# Altium PCB EDA-04211-V4_0_pcb.pcbdoc (part 3 of 12)
Units mm, origin at the board's own origin, x right, y up, seen from the top; angles counter-clockwise.
Board outline 304.8 x 128.5 mm, 14 copper layers (Top Layer, L2, L3GND, L4, L5GND, L6, L7GND, L8, L9GND, L10, L11GND, L12, L13GND, Bottom Layer), stack 4.06 mm thick; 143 components, 1224 nets, 5334 pads, 591 vias.
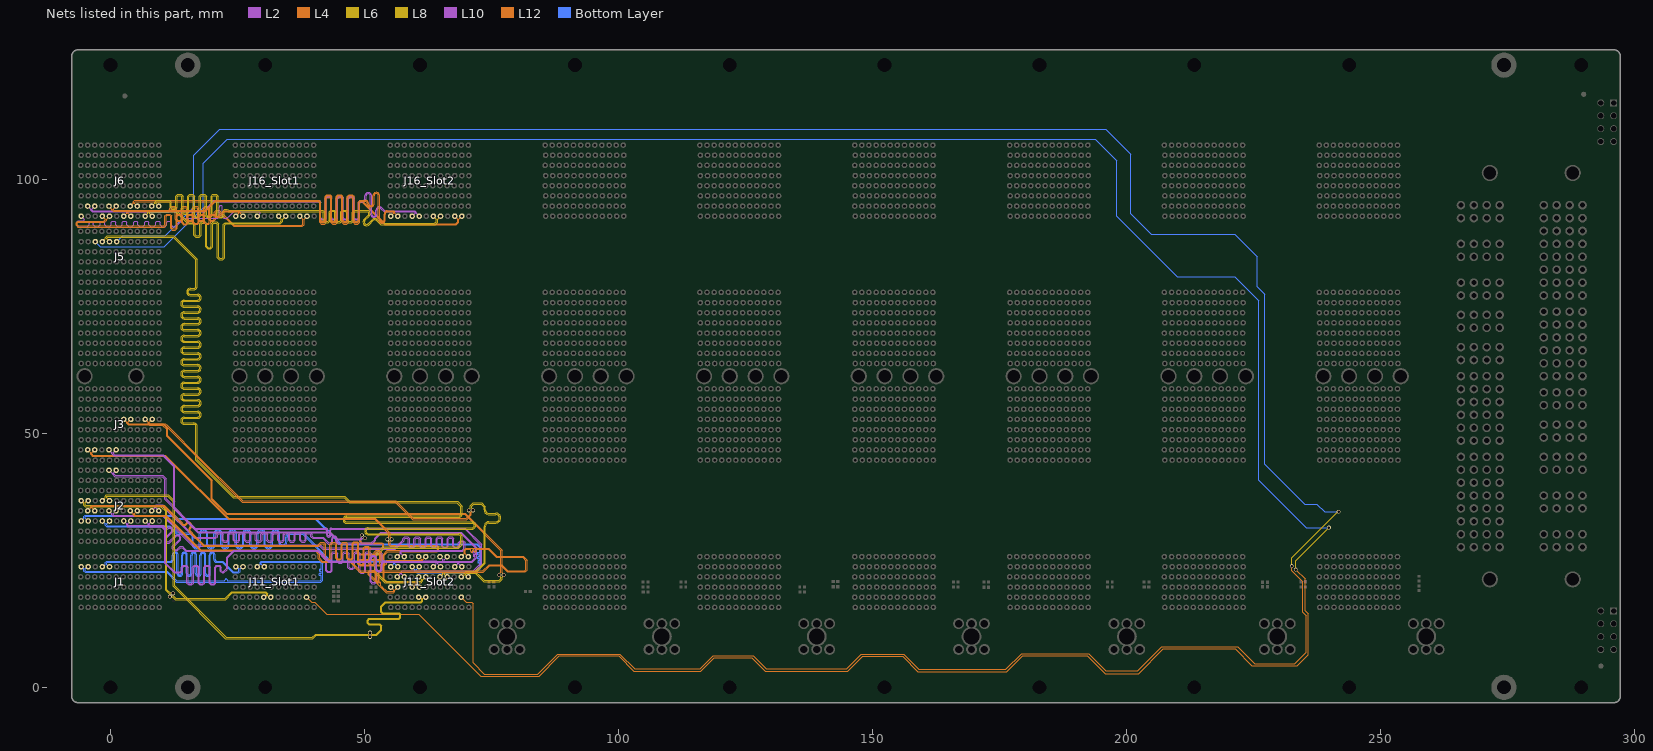
[diagram p15: the nets of this part, all layers, seen from the top]

## Via types
v1: diameter 0.75, hole 0.5, Top Layer to Bottom Layer, tented both sides, 549 vias
v2: diameter 0.85, hole 0.5, Top Layer to Bottom Layer, tented both sides, 32 vias
v3: diameter 1.3, hole 1, Top Layer to Bottom Layer, tented both sides, 10 vias

## Nets (pads, with @x,y where several pads share a name; then routed paths per layer and width w, separated by ;. In a path a pad name is that pad's centre, name@x,y a point inside that pad or via, vN(x,y) a via of type N, cw(c..) or ccw(c..) an arc to the next point about the centre after c; other vN are vias at no path point) (continued)
1_DIFF_11_P: J6.A1 J16_Slot1.D1 | length 57.3
  L10 w0.102: J6.A1@-5.78,92.75 -5.195,92.164 -5.195,91.952 -5.296,91.85 -6.309,91.85 -6.589,91.57 -6.589,91.012 -6.298,90.721 -4.762,90.721 -4.549,90.721 -4.199,91.071 -4.199,91.373 -3.983,91.589 -3.551,91.589 -3.335,91.373 -3.335,91.049 -2.985,90.699 -2.363,90.699 -2.013,91.049 -2.013,91.551 -1.797,91.767 -1.365,91.767 -1.149,91.551 -1.149,91.049 -0.799,90.699 -0.177,90.699 0.173,91.049 0.173,91.551 0.389,91.767 0.821,91.767 1.037,91.551 1.037,91.049 1.387,90.699 2.008,90.699 2.359,91.049 2.359,91.551 2.575,91.767 3.007,91.767 3.223,91.551 3.223,91.049 3.573,90.699 4.194,90.699 4.545,91.049 4.545,91.551 4.761,91.767 5.193,91.767 5.409,91.551 5.409,91.049 5.759,90.699 6.38,90.699 6.731,91.049 6.731,91.551 6.947,91.767 7.379,91.767 7.595,91.551 7.595,91.049 7.945,90.699 8.566,90.699 8.917,91.049 8.917,91.551 9.133,91.767 9.565,91.767 9.781,91.551 9.781,91.049 10.131,90.699 10.752,90.699 11.103,91.049 11.103,91.551 11.319,91.767 11.751,91.767 11.967,91.551 11.967,91.071 12.317,90.721 12.935,90.721 13.337,91.123 14.526,92.312 18.261,92.312 20.893,92.312 ccw(c20.893,92.846) 21.427,92.846 21.427,94.547 cw(c21.732,94.547) 21.732,94.852 cw(c21.732,94.547) 22.037,94.547 22.037,92.846 ccw(c22.571,92.846) 22.571,92.312 22.912,92.312 23.365,92.765 24.258,93.658 29.271,93.658 29.486,93.443 29.486,93.336 J16_Slot1.D1@28.9,92.75
1_DIFF_12_N: J6.E1 J16_Slot1.B1 | length 57.3
  L4 w0.102: J6.E1@-0.18,92.75 -0.766,92.164 -0.766,91.972 -1.217,91.521 -6.303,91.521 -6.497,91.326 -6.497,91.032 -6.315,90.85 10.404,90.85 10.523,90.85 10.739,91.066 10.739,92.81 11.089,93.161 11.71,93.161 12.061,92.81 12.061,90.446 12.277,90.23 12.709,90.23 12.925,90.446 12.925,92.81 13.275,93.161 13.896,93.161 14.247,92.81 14.247,91.522 14.463,91.306 14.895,91.306 15.111,91.522 15.111,92.81 15.461,93.161 16.082,93.161 16.432,92.81 16.432,91.566 16.648,91.35 17.08,91.35 17.296,91.566 17.296,92.81 17.647,93.161 18.268,93.161 18.618,92.81 18.618,91.566 18.834,91.35 19.266,91.35 19.482,91.566 19.482,92.81 19.833,93.161 20.454,93.161 20.88,92.735 21.186,92.735 21.461,93.01 21.662,93.212 22.274,93.823 25.239,93.823 25.515,93.547 25.515,93.336 J16_Slot1.B1@26.1,92.75
1_DIFF_12_P: J6.D1 J16_Slot1.A1 | length 57.3
  L4 w0.102: J6.D1@-1.58,92.75 -0.994,92.164 -0.994,92.067 -1.312,91.75 -6.397,91.75 -6.726,91.421 -6.726,90.937 -6.41,90.621 10.404,90.621 10.617,90.621 10.968,90.971 10.968,92.716 11.184,92.932 11.616,92.932 11.832,92.716 11.832,90.352 12.182,90.001 12.803,90.001 13.154,90.352 13.154,92.716 13.37,92.932 13.802,92.932 14.018,92.716 14.018,91.427 14.368,91.077 14.989,91.077 15.339,91.427 15.339,92.716 15.555,92.932 15.988,92.932 16.203,92.716 16.203,91.471 16.554,91.121 17.175,91.121 17.525,91.471 17.525,92.716 17.741,92.932 18.173,92.932 18.389,92.716 18.389,91.471 18.74,91.121 19.361,91.121 19.711,91.471 19.711,92.716 19.927,92.932 20.359,92.932 20.785,92.506 21.28,92.506 21.623,92.848 21.741,92.967 22.369,93.594 25.144,93.594 25.285,93.452 25.285,93.336 J16_Slot1.A1@24.7,92.75
1_DIFF_13_N: J6.H1 J16_Slot1.K1 | length 57.4
  L12 w0.102: J6.H1@4.02,92.75 3.434,93.336 3.434,93.43 3.649,93.645 10.671,93.645 11.593,93.645 11.943,93.995 11.943,94.214 12.159,94.43 12.591,94.43 12.807,94.214 12.807,92.103 13.157,91.752 13.779,91.752 14.129,92.103 14.129,94.214 14.345,94.43 14.777,94.43 14.993,94.214 14.993,92.103 15.343,91.752 15.965,91.752 16.315,92.103 16.315,94.214 16.531,94.43 16.963,94.43 17.179,94.214 17.179,92.103 17.529,91.752 18.151,91.752 18.501,92.103 18.501,94.214 18.717,94.43 19.149,94.43 19.365,94.214 19.365,92.103 19.715,91.752 20.337,91.752 20.687,92.103 20.687,93.429 20.903,93.645 21.021,93.645 21.359,93.645 24.255,90.749 37.749,90.749 38.115,91.115 38.115,92.165 J16_Slot1.K1@38.7,92.75
1_DIFF_13_P: J6.G1 J16_Slot1.J1 | length 57.4
  L12 w0.102: J6.G1@2.62,92.75 3.206,93.336 3.206,93.525 3.554,93.874 10.671,93.874 11.498,93.874 11.714,94.09 11.714,94.309 12.064,94.659 12.686,94.659 13.036,94.309 13.036,92.197 13.252,91.981 13.684,91.981 13.9,92.197 13.9,94.309 14.25,94.659 14.872,94.659 15.222,94.309 15.222,92.197 15.438,91.981 15.87,91.981 16.086,92.197 16.086,94.309 16.436,94.659 17.058,94.659 17.408,94.309 17.408,92.197 17.624,91.981 18.056,91.981 18.272,92.197 18.272,94.309 18.622,94.659 19.244,94.659 19.594,94.309 19.594,92.197 19.81,91.981 20.242,91.981 20.458,92.197 20.458,93.524 20.808,93.874 21.021,93.874 21.454,93.874 24.35,90.978 37.654,90.978 37.885,91.209 37.885,92.164 J16_Slot1.J1@37.3,92.75
1_DIFF_14_N: J6.K1 J16_Slot1.H1 | length 57.3
  L8 w0.12: J6.K1@8.22,92.75 7.655,93.315 7.655,93.38 7.874,93.599 11.001,93.599 12.901,93.599 15.263,91.237 15.977,91.237 16.211,91.237 16.431,91.016 16.431,88.999 16.81,88.621 17.474,88.621 17.853,88.999 17.853,91.182 18.073,91.402 18.514,91.402 18.735,91.182 18.735,86.696 19.113,86.317 19.778,86.317 20.157,86.696 20.157,91.182 20.377,91.402 20.818,91.402 21.039,91.182 21.039,84.596 21.417,84.217 22.082,84.217 22.46,84.596 22.46,91.016 22.681,91.237 22.82,91.237 24.738,91.237 33.426,91.237 33.935,91.745 33.935,92.185 J16_Slot1.H1@34.5,92.75
1_DIFF_14_P: J6.J1 J16_Slot1.G1 | length 57.3
  L8 w0.12: J6.J1@6.82,92.75 7.385,93.315 7.385,93.492 7.762,93.869 11.113,93.869 13.013,93.869 15.375,91.507 15.977,91.507 16.322,91.507 16.701,91.128 16.701,89.111 16.922,88.891 17.363,88.891 17.583,89.111 17.583,91.294 17.962,91.672 18.626,91.672 19.005,91.294 19.005,86.807 19.225,86.587 19.666,86.587 19.887,86.807 19.887,91.294 20.265,91.672 20.93,91.672 21.308,91.294 21.308,84.708 21.529,84.487 21.97,84.487 22.19,84.708 22.19,91.128 22.569,91.507 22.82,91.507 24.738,91.507 33.314,91.507 33.665,91.857 33.665,92.185 J16_Slot1.G1@33.1,92.75
1_DIFF_15_N: J2.B5 J11_Slot1.F2 | length 55.9
  L8 w0.12: J2.B5@-4.38,36.75 -4.577,36.75 -4.945,36.382 -4.945,35.96 -4.838,35.853 10.057,35.853 11.136,34.774 11.136,19.254 11.84,18.55 12.252,18.55 v1(12.319,18.483)
  L6 w0.102: v1(12.319,18.483) 12.346,18.455 12.346,18.015 12.851,17.51 22.6,17.51 23.922,18.832 30.595,18.832 31.014,18.413 31.014,18.074 31.339,17.75 J11_Slot1.F2@31.6,17.75
1_DIFF_15_P: J2.A5 J11_Slot1.E2 | length 55.9
  L8 w0.12: J2.A5@-5.78,36.75 -5.583,36.75 -5.215,36.382 -5.215,35.848 -4.95,35.583 9.945,35.583 10.866,34.663 10.866,19.143 11.65,18.359 11.65,17.947 v1(11.716,17.881)
  L6 w0.102: v1(11.716,17.881) 11.744,17.853 12.184,17.853 12.756,17.281 22.695,17.281 24.017,18.603 30.5,18.603 30.786,18.318 30.786,18.074 30.461,17.75 J11_Slot1.E2@30.2,17.75
1_MGT_Rx_N: J1.E5 J11_Slot1.B5 | length 65.6
  Bottom Layer w0.15: J1.E5@-0.18,23.75 -0.357,23.75 -0.754,24.147 -0.754,24.509 -0.659,24.604 11.646,24.604 11.847,24.604 ccw(c11.847,25.185) 12.427,25.185 12.427,26.053 cw(c12.756,26.053) 13.085,26.053 13.085,22.43 ccw(c13.665,22.43) 14.246,22.43 14.246,26.053 cw(c14.575,26.053) 14.904,26.053 14.904,22.43 ccw(c15.484,22.43) 16.064,22.43 16.064,26.053 cw(c16.393,26.053) 16.722,26.053 16.722,22.43 ccw(c17.303,22.43) 17.883,22.43 17.883,26.053 cw(c18.212,26.053) 18.541,26.053 18.541,22.43 ccw(c19.121,22.43) 19.702,22.43 19.702,26.053 cw(c20.031,26.053) 20.36,26.053 20.36,25.185 ccw(c20.94,25.185) 20.94,24.604 21.737,24.604 21.984,24.604 24.071,22.518 25.245,22.518 25.526,22.799 25.526,23.328 25.948,23.75 J11_Slot1.B5@26.1,23.75
1_MGT_Rx_P: J1.D5 J11_Slot1.A5 | length 65.6
  Bottom Layer w0.15: J1.D5@-1.58,23.75 -1.403,23.75 -1.006,24.147 -1.006,24.613 -0.763,24.856 11.646,24.856 11.847,24.856 ccw(c11.847,25.185) 12.176,25.185 12.176,26.053 cw(c12.756,26.053) 13.337,26.053 13.337,22.43 ccw(c13.665,22.43) 13.994,22.43 13.994,26.053 cw(c14.575,26.053) 15.155,26.053 15.155,22.43 ccw(c15.484,22.43) 15.813,22.43 15.813,26.053 cw(c16.393,26.053) 16.974,26.053 16.974,22.43 ccw(c17.303,22.43) 17.632,22.43 17.632,26.053 cw(c18.212,26.053) 18.792,26.053 18.792,22.43 ccw(c19.121,22.43) 19.45,22.43 19.45,26.053 cw(c20.031,26.053) 20.611,26.053 20.611,25.185 ccw(c20.94,25.185) 20.94,24.856 21.737,24.856 22.089,24.856 24.175,22.769 25.141,22.769 25.274,22.903 25.274,23.328 24.852,23.75 J11_Slot1.A5@24.7,23.75
1_MGT_Tx_N: J1.B5 J11_Slot1.E5 | length 66.4
  Bottom Layer w0.15: J1.B5@-4.38,23.75 -4.557,23.75 -4.954,23.353 -4.954,22.979 -4.866,22.891 11.155,22.891 13.105,20.94 19.934,20.94 22.355,20.94 ccw(c22.355,21.142) 22.557,21.142 cw(c22.759,21.142) 22.961,21.142 ccw(c23.163,21.142) 23.163,20.94 23.642,20.94 41.31,20.94 41.549,21.179 41.549,21.599 41.549,21.746 41.549,21.821 ccw(c41.347,21.821) 41.347,22.023 41.243,22.023 cw(c41.243,22.225) 41.243,22.427 41.347,22.427 ccw(c41.347,22.629) 41.347,22.831 41.31,22.831 cw(c41.31,23.033) 41.31,23.235 41.347,23.235 ccw(c41.347,23.436) 41.549,23.436 41.549,24.061 41.549,24.371 41.318,24.602 29.814,24.602 29.726,24.514 29.726,24.273 30.249,23.75 J11_Slot1.E5@30.3,23.75
1_MGT_Tx_P: J1.A5 J11_Slot1.D5 | length 66.4
  Bottom Layer w0.15: J1.A5@-5.78,23.75 -5.603,23.75 -5.206,23.353 -5.206,22.874 -4.971,22.639 11.051,22.639 13.001,20.689 19.934,20.689 23.642,20.689 41.414,20.689 41.8,21.075 41.8,21.599 41.8,22.007 41.8,23.582 41.8,24.061 41.8,24.475 41.422,24.854 29.709,24.854 29.474,24.618 29.474,24.273 28.951,23.75 J11_Slot1.D5@28.9,23.75
1_SERVMOD: J5.C5 J11_Slot1.K2 | length 562.8
  L8 w0.102: v1(233.344,23.173) 233.344,24.928 v1(239.872,31.456)
  L12 w0.102: J11_Slot1.K2@38.6,17.75 39.604,16.746 40.254,16.746 42.565,14.435 60.701,14.435 72.915,2.22 84.424,2.22 88.387,6.183 100.093,6.183 103.068,3.208 116.222,3.208 118.892,5.878 126.207,5.878 128.9,3.186 145.181,3.186 148.127,6.132 155.951,6.132 158.973,3.109 176.448,3.109 179.573,6.234 192.321,6.234 195.829,2.726 202.407,2.726 207.259,7.577 221.384,7.577 224.683,4.278 233.598,4.278 235.783,6.462 235.783,14.463 235.173,15.073 ; v1(233.344,23.173) 235.173,21.344 235.173,15.073 ; 235.173,15.07 235.173,15.073
  Bottom Layer w0.102: J5.C5@-2.98,87.75 -1.981,86.751 10.639,86.751 18.32,94.432 18.32,103.15 23.02,107.85 28.32,107.85 193.913,107.85 198.12,103.643 198.12,92.75 210.02,80.85 221.32,80.85 226.092,76.078 226.092,40.74 235.376,31.456 v1(239.872,31.456)
2_CLK_N: J5.E5 J11_Slot2.F4 | length 318
  L8 w0.12: J5.E5@-0.18,87.75 -0.745,88.315 -0.745,88.409 -0.508,88.646 11.45,88.646 12.375,88.646 16.835,84.186 16.835,81.253 16.835,78.98 cw(c16.394,78.98) 16.394,78.539 15.689,78.539 ccw(c15.689,77.828) 15.689,77.117 17.15,77.117 cw(c17.15,76.676) 17.15,76.235 14.546,76.235 ccw(c14.546,75.524) 14.546,74.814 17.15,74.814 cw(c17.15,74.373) 17.15,73.932 14.546,73.932 ccw(c14.546,73.221) 14.546,72.51 17.15,72.51 cw(c17.15,72.069) 17.15,71.628 14.546,71.628 ccw(c14.546,70.917) 14.546,70.206 17.15,70.206 cw(c17.15,69.765) 17.15,69.324 14.546,69.324 ccw(c14.546,68.613) 14.546,67.902 17.15,67.902 cw(c17.15,67.461) 17.15,67.02 14.546,67.02 ccw(c14.546,66.31) 14.546,65.599 17.15,65.599 cw(c17.15,65.158) 17.15,64.717 14.546,64.717 ccw(c14.546,64.006) 14.546,63.295 17.15,63.295 cw(c17.15,62.854) 17.15,62.413 14.546,62.413 ccw(c14.546,61.702) 14.546,60.991 17.15,60.991 cw(c17.15,60.55) 17.15,60.109 14.546,60.109 ccw(c14.546,59.399) 14.546,58.688 17.15,58.688 cw(c17.15,58.247) 17.15,57.806 14.546,57.806 ccw(c14.546,57.095) 14.546,56.384 17.15,56.384 cw(c17.15,55.943) 17.15,55.502 14.546,55.502 ccw(c14.546,54.791) 14.546,54.08 17.15,54.08 cw(c17.15,53.639) 17.15,53.198 14.546,53.198 ccw(c14.546,52.488) 14.546,51.777 16.394,51.777 cw(c16.394,51.336) 16.835,51.336 16.835,51.141 16.835,44.739 24.216,37.358 46.009,37.358 47.035,36.333 68.219,36.333 68.981,35.571 68.981,35.215 68.981,34.175 cw(c68.54,34.175) 68.54,33.734 46.498,33.734 ccw(c46.498,33.023) 46.498,32.313 71.196,32.313 cw(c71.196,31.872) 71.196,31.431 50.747,31.431 ccw(c50.747,30.72) 50.747,30.009 68.54,30.009 cw(c68.54,29.568) 68.981,29.568 68.981,29.373 68.981,28.23 68.438,27.687 53.757,27.687 52.05,25.98 52.05,22.52 53.971,20.599 57.627,20.599 61.163,20.599 61.515,20.951 61.515,21.185 J11_Slot2.F4@62.08,21.75
2_CLK_P: J5.D5 J11_Slot2.E4 | length 318
  L8 w0.12: J5.D5@-1.58,87.75 -1.015,88.315 -1.015,88.521 -0.62,88.916 11.45,88.916 12.487,88.916 17.105,84.298 17.105,81.253 17.105,78.98 cw(c16.394,78.98) 16.394,78.269 15.689,78.269 ccw(c15.689,77.828) 15.689,77.387 17.15,77.387 cw(c17.15,76.676) 17.15,75.965 14.546,75.965 ccw(c14.546,75.524) 14.546,75.083 17.15,75.083 cw(c17.15,74.373) 17.15,73.662 14.546,73.662 ccw(c14.546,73.221) 14.546,72.78 17.15,72.78 cw(c17.15,72.069) 17.15,71.358 14.546,71.358 ccw(c14.546,70.917) 14.546,70.476 17.15,70.476 cw(c17.15,69.765) 17.15,69.054 14.546,69.054 ccw(c14.546,68.613) 14.546,68.172 17.15,68.172 cw(c17.15,67.461) 17.15,66.751 14.546,66.751 ccw(c14.546,66.31) 14.546,65.869 17.15,65.869 cw(c17.15,65.158) 17.15,64.447 14.546,64.447 ccw(c14.546,64.006) 14.546,63.565 17.15,63.565 cw(c17.15,62.854) 17.15,62.143 14.546,62.143 ccw(c14.546,61.702) 14.546,61.261 17.15,61.261 cw(c17.15,60.55) 17.15,59.84 14.546,59.84 ccw(c14.546,59.399) 14.546,58.958 17.15,58.958 cw(c17.15,58.247) 17.15,57.536 14.546,57.536 ccw(c14.546,57.095) 14.546,56.654 17.15,56.654 cw(c17.15,55.943) 17.15,55.232 14.546,55.232 ccw(c14.546,54.791) 14.546,54.35 17.15,54.35 cw(c17.15,53.639) 17.15,52.929 14.546,52.929 ccw(c14.546,52.488) 14.546,52.047 16.394,52.047 cw(c16.394,51.336) 17.105,51.336 17.105,51.141 17.105,44.851 24.328,37.628 46.121,37.628 47.147,36.602 68.331,36.602 69.251,35.682 69.251,35.215 69.251,34.175 cw(c68.54,34.175) 68.54,33.464 46.498,33.464 ccw(c46.498,33.023) 46.498,32.582 71.196,32.582 cw(c71.196,31.872) 71.196,31.161 50.747,31.161 ccw(c50.747,30.72) 50.747,30.279 68.54,30.279 cw(c68.54,29.568) 69.251,29.568 69.251,29.373 69.251,28.118 68.55,27.417 53.869,27.417 52.32,25.868 52.32,22.632 54.082,20.869 57.627,20.869 61.051,20.869 61.245,21.063 61.245,21.185 J11_Slot2.E4@60.68,21.75
2_DIFF_0_N: J3.C2 J11_Slot2.E3 | length 102.5
  L4 w0.102: J3.C2@-3.08,46.75 -3.666,46.164 -3.666,45.943 -3.463,45.741 10.799,45.741 11.688,44.851 23.255,33.285 52.129,33.285 54.102,31.312 55.05,30.364 55.05,29.501 55.384,29.167 v1(55.384,29.128)
  L12 w0.102: v1(55.384,29.128) 55.384,29.089 55.05,28.755 55.05,28.139 55.191,27.998 64.319,27.998 64.649,27.667 64.649,27.097 64.292,26.74 54.63,26.74 53.94,26.05 53.94,21.325 54.391,20.874 55.265,20.874 59.834,20.874 60.194,20.513 60.194,20.335 J11_Slot2.E3@60.78,19.75
2_DIFF_0_P: J3.B2 J11_Slot2.D3 | length 102.5
  L4 w0.102: J3.B2@-4.48,46.75 -3.895,46.164 -3.895,45.848 -3.558,45.512 10.704,45.512 11.364,44.851 11.526,44.689 23.16,33.056 52.034,33.056 53.778,31.312 53.94,31.15 54.821,30.269 54.821,29.501 54.532,29.212 v1(54.532,29.128)
  L12 w0.102: v1(54.532,29.128) 54.532,29.044 54.821,28.755 54.821,28.044 55.096,27.769 64.224,27.769 64.42,27.572 64.42,27.192 64.197,26.969 54.535,26.969 53.711,26.145 53.711,21.231 53.793,21.148 54.296,20.645 59.739,20.645 59.966,20.418 59.966,20.335 J11_Slot2.D3@59.38,19.75
2_DIFF_1_N: J3.F2 J11_Slot2.B3 | length 102.1
  L2 w0.102: J3.F2@1.12,46.75 0.534,46.164 0.534,46.061 0.779,45.817 9.037,45.817 10.418,45.817 12.695,43.54 12.695,35.24 13.431,34.504 17.267,30.668 43.194,30.668 44.591,29.271 49.245,29.271 49.489,29.515 49.489,29.973 v1@49.499,29.983
  L12 w0.102: v1@49.499,29.983 49.489,29.973 49.489,29.515 49.076,29.103 49.076,28.984 49.076,28.629 49.426,28.279 53.352,28.279 53.568,28.063 53.568,27.631 53.352,27.415 48.718,27.415 48.368,27.065 48.368,26.443 48.718,26.093 53.037,26.093 53.253,25.877 53.253,25.445 53.037,25.229 49.164,25.229 48.814,24.879 48.814,24.257 49.164,23.907 53.037,23.907 53.253,23.691 53.253,23.259 53.037,23.043 51.094,23.043 50.744,22.693 50.744,22.198 51.272,21.67 54.278,18.664 55.77,18.664 55.995,18.889 55.995,19.165 J11_Slot2.B3@56.58,19.75
  other v1: 49.505,29.954
2_DIFF_1_P: J3.E2 J11_Slot2.A3 | length 102.1
  L2 w0.102: J3.E2@-0.28,46.75 0.306,46.164 0.306,45.966 0.684,45.588 10.323,45.588 10.993,44.918 11.155,44.756 12.466,43.445 12.466,35.146 13.269,34.342 13.431,34.18 17.172,30.439 43.099,30.439 43.403,30.135 43.565,29.973 44.419,29.119 44.496,29.042 49.34,29.042 49.651,29.353 50.109,29.353 v1(50.119,29.363)
  L12 w0.102: v1(50.119,29.363) 50.109,29.353 49.651,29.353 49.305,29.008 49.305,28.984 49.305,28.724 49.521,28.508 53.447,28.508 53.797,28.158 53.797,27.536 53.447,27.186 48.813,27.186 48.597,26.97 48.597,26.538 48.813,26.322 53.132,26.322 53.482,25.972 53.482,25.35 53.132,25 49.259,25 49.043,24.784 49.043,24.352 49.259,24.136 53.132,24.136 53.482,23.786 53.482,23.164 53.132,22.814 51.189,22.814 50.973,22.598 50.973,22.293 51.596,21.67 52.218,21.048 52.254,21.012 52.627,20.639 ccw(c52.752,20.765) 52.878,20.639 cw(c53.004,20.513) 53.13,20.639 cw(c53.004,20.513) 53.13,20.387 ccw(c53.256,20.261) 53.13,20.136 53.382,19.884 53.418,19.848 54.373,18.893 55.675,18.893 55.765,18.984 55.765,19.165 J11_Slot2.A3@55.18,19.75
2_DIFF_2_N: J2.F8 J11_Slot2.C4 | length 105.4
  L10 w0.102: J2.F8@1.12,42.75 0.561,42.191 0.561,42.107 0.951,41.717 10.275,41.717 10.774,41.219 10.967,41.025 10.967,37.12 16.737,31.35 37.768,31.35 42.384,31.35 cw(c42.384,30.943) 42.791,30.943 42.791,29.989 ccw(c42.969,29.989) 43.147,29.989 43.147,30.943 cw(c43.554,30.943) 43.554,31.35 43.719,31.35 69.897,31.35 73.074,28.173 73.074,24.26 71.504,22.691 57.537,22.691 57.295,22.448 57.295,22.336 J11_Slot2.C4@57.88,21.75
2_DIFF_2_P: J2.E8 J11_Slot2.B4 | length 105.4
  L10 w0.102: J2.E8@-0.28,42.75 0.332,42.138 0.332,42.012 0.856,41.488 10.18,41.488 10.545,41.124 10.738,40.93 10.738,37.025 14.352,33.412 16.642,31.121 16.832,31.121 37.768,31.121 42.384,31.121 cw(c42.384,30.943) 42.562,30.943 42.562,29.989 ccw(c42.969,29.989) 43.376,29.989 43.376,30.943 cw(c43.554,30.943) 43.554,31.121 43.719,31.121 69.802,31.121 72.845,28.078 72.845,24.355 71.41,22.919 57.443,22.919 57.065,22.542 57.065,22.336 J11_Slot2.B4@56.48,21.75
2_DIFF_3_N: J3.H5 J11_Slot2.L4 | length 103.4
  L4 w0.102: J3.H5@4.02,52.75 3.434,52.165 3.434,52.076 3.623,51.888 10.837,51.888 11.067,51.658 12.124,50.601 16.809,45.915 26.011,36.714 56.186,36.714 59.65,33.25 70.027,33.25 70.839,34.061 70.839,34.478 70.527,34.789 v1(70.527,34.829)
  L8 w0.12: J11_Slot2.L4@70.48,21.75 70.283,21.75 69.915,22.118 69.915,22.217 70.178,22.48 71.862,22.48 73.818,24.437 73.818,30.32 73.818,31.653 cw(c74.513,31.653) 74.513,32.348 75.893,32.348 ccw(c75.893,33.313) 75.893,34.278 74.513,34.278 cw(c74.513,34.973) 73.818,34.973 73.818,35.168 73.818,35.582 73.077,36.323 71.384,36.323 70.818,35.757 70.818,35.214 70.527,34.923 v1(70.527,34.829)
2_DIFF_3_P: J3.G5 J11_Slot2.K4 | length 103.2
  L4 w0.102: J3.G5@2.62,52.75 3.206,52.165 3.206,51.982 3.529,51.658 10.742,51.658 14.441,47.96 16.58,45.82 25.916,36.485 56.092,36.485 59.555,33.021 70.122,33.021 71.068,33.966 71.068,34.478 71.379,34.789 v1(71.379,34.829)
  L8 w0.12: J11_Slot2.K4@69.08,21.75 69.277,21.75 69.645,22.118 69.645,22.329 70.066,22.75 71.75,22.75 73.548,24.548 73.548,25.424 73.548,29.23 73.548,30.32 73.548,31.653 cw(c74.513,31.653) 74.513,32.618 75.893,32.618 ccw(c75.893,33.313) 75.893,34.008 74.513,34.008 cw(c74.513,34.973) 73.548,34.973 73.548,35.168 73.548,35.47 72.965,36.053 71.496,36.053 71.088,35.646 71.088,35.214 71.379,34.923 v1(71.379,34.829)
2_DIFF_4_N: J3.K5 J11_Slot2.I4 | length 103
  L12 w0.102: J3.K5@8.22,52.75 7.635,52.165 7.635,52.017 7.797,51.854 10.324,51.854 11.316,50.862 11.316,49.567 20.086,40.797 20.086,37.148 22.949,34.285 69.854,34.285 70.083,34.056 77.106,27.032 77.106,22.597 77.409,22.295 v1(77.409,22.12)
  L6 w0.102: J11_Slot2.I4@66.28,21.75 66.205,21.75 65.694,22.261 65.694,22.345 65.899,22.55 71.74,22.55 72.34,21.95 73.469,20.821 76.68,20.821 77.102,21.243 77.102,21.666 77.409,21.973 v1(77.409,22.12)
2_DIFF_4_P: J3.J5 J11_Slot2.H4 | length 103
  L12 w0.102: J3.J5@6.82,52.75 7.406,52.164 7.406,51.922 7.702,51.625 10.229,51.625 11.087,50.767 11.087,49.472 19.857,40.702 19.857,37.053 22.854,34.056 69.759,34.056 69.921,33.894 76.877,26.938 76.877,22.615 76.557,22.295 v1(76.557,22.12)
  L6 w0.102: J11_Slot2.H4@64.88,21.75 64.955,21.75 65.466,22.261 65.466,22.44 65.804,22.779 71.835,22.779 72.664,21.95 73.564,21.05 76.585,21.05 76.873,21.338 76.873,21.666 76.557,21.982 v1(76.557,22.12)
2_DIFF_5_N: J2.H3 J11_Slot2.K5 | length 105.5
  L2 w0.102: J2.H3@4.02,32.75 3.434,32.165 3.434,31.985 3.547,31.872 10.373,31.872 10.912,31.333 10.912,24.478 12.64,22.75 13.636,22.75 13.754,22.75 13.97,22.966 13.97,23.686 14.32,24.036 14.942,24.036 15.292,23.686 15.292,20.615 15.508,20.399 15.94,20.399 16.156,20.615 16.156,23.686 16.506,24.036 17.128,24.036 17.478,23.686 17.478,20.615 17.694,20.399 18.126,20.399 18.342,20.615 18.342,23.686 18.692,24.036 19.314,24.036 19.664,23.686 19.664,20.615 19.88,20.399 20.312,20.399 20.528,20.615 20.528,23.686 20.878,24.036 21.5,24.036 21.85,23.686 21.85,22.966 22.066,22.75 22.24,22.75 22.34,22.85 22.9,23.41 22.9,25.634 24.277,27.011 40.939,27.011 43.088,24.862 45.61,24.862 49.114,24.862 50.656,24.862 ccw(c50.656,25.294) 51.088,25.294 cw(c51.749,25.294) 52.41,25.294 52.41,23.398 ccw(c52.842,23.398) 53.274,23.398 53.274,24.201 cw(c53.935,24.201) 53.935,24.862 54.101,24.862 68.317,24.862 68.595,24.585 68.595,24.335 J11_Slot2.K5@69.18,23.75
2_DIFF_5_P: J2.G3 J11_Slot2.J5 | length 105.5
  L2 w0.102: J2.G3@2.62,32.75 3.206,32.165 3.206,31.89 3.452,31.643 10.278,31.643 10.683,31.238 10.683,24.383 12.545,22.521 13.636,22.521 13.849,22.521 14.199,22.871 14.199,23.591 14.415,23.807 14.847,23.807 15.063,23.591 15.063,20.52 15.413,20.17 16.035,20.17 16.385,20.52 16.385,23.591 16.601,23.807 17.033,23.807 17.249,23.591 17.249,20.52 17.599,20.17 18.221,20.17 18.571,20.52 18.571,23.591 18.787,23.807 19.219,23.807 19.435,23.591 19.435,20.52 19.785,20.17 20.407,20.17 20.757,20.52 20.757,23.591 20.973,23.807 21.405,23.807 21.621,23.591 21.621,22.871 21.971,22.521 22.335,22.521 22.34,22.526 22.962,23.149 23.129,23.315 23.129,25.539 24.372,26.782 40.844,26.782 41.784,25.842 42.993,24.633 49.114,24.633 50.656,24.633 ccw(c50.656,25.294) 51.317,25.294 cw(c51.749,25.294) 52.181,25.294 52.181,23.398 ccw(c52.842,23.398) 53.503,23.398 53.503,24.201 cw(c53.935,24.201) 53.935,24.633 54.101,24.633 68.222,24.633 68.365,24.49 68.365,24.336 J11_Slot2.J5@67.78,23.75
2_DIFF_6_N: J2.K3 J11_Slot2.H5 | length 105.4
  L10 w0.102: J2.K3@8.22,32.75 7.635,32.165 7.635,31.981 7.729,31.886 9.978,31.886 10.074,31.886 10.726,31.233 11.032,31.233 11.37,31.571 11.865,31.571 12.304,31.131 12.304,30.636 10.9,29.232 10.9,28.927 11.206,28.621 11.511,28.621 12.915,30.025 13.411,30.025 13.85,29.586 13.85,29.091 12.446,27.687 12.446,27.381 12.752,27.076 13.057,27.076 13.723,27.742 14.218,27.742 14.369,27.591 14.958,27.002 40.764,27.002 42.316,25.45 42.596,25.17 42.596,23.087 42.812,22.871 43.244,22.871 43.46,23.087 43.46,26.328 43.81,26.678 44.432,26.678 44.782,26.328 44.782,24.866 44.998,24.65 45.43,24.65 45.646,24.866 45.646,26.328 45.996,26.678 46.618,26.678 46.968,26.328 46.968,23.657 47.184,23.441 47.616,23.441 47.832,23.657 47.832,26.328 48.182,26.678 48.804,26.678 49.154,26.328 49.154,22.884 49.37,22.668 49.802,22.668 50.018,22.884 50.018,26.328 50.368,26.678 50.99,26.678 51.34,26.328 51.34,20.87 51.556,20.654 51.988,20.654 52.204,20.87 52.204,26.328 52.554,26.678 53.176,26.678 53.526,26.328 53.526,25.091 53.742,24.875 54.953,24.875 64.117,24.875 64.394,24.598 64.394,24.336 J11_Slot2.H5@64.98,23.75
2_DIFF_6_P: J2.J3 J11_Slot2.G5 | length 105.4
  L10 w0.102: J2.J3@6.82,32.75 7.405,32.165 7.405,31.886 7.635,31.657 9.749,31.657 9.979,31.657 10.632,31.004 11.127,31.004 11.464,31.342 11.77,31.342 12.075,31.037 12.075,30.731 10.671,29.327 10.671,28.832 11.111,28.392 11.606,28.392 13.01,29.796 13.316,29.796 13.621,29.491 13.621,29.185 12.217,27.781 12.217,27.286 12.657,26.847 13.152,26.847 13.818,27.513 14.123,27.513 14.207,27.429 14.863,26.773 40.67,26.773 42.316,25.127 42.367,25.075 42.367,22.992 42.717,22.642 43.339,22.642 43.689,22.992 43.689,26.233 43.905,26.449 44.337,26.449 44.553,26.233 44.553,24.771 44.903,24.421 45.525,24.421 45.875,24.771 45.875,26.233 46.091,26.449 46.523,26.449 46.739,26.233 46.739,23.562 47.089,23.212 47.711,23.212 48.061,23.562 48.061,26.233 48.277,26.449 48.709,26.449 48.925,26.233 48.925,22.789 49.275,22.439 49.897,22.439 50.247,22.789 50.247,26.233 50.463,26.449 50.895,26.449 51.111,26.233 51.111,20.775 51.461,20.425 52.083,20.425 52.433,20.775 52.433,26.233 52.649,26.449 53.081,26.449 53.297,26.233 53.297,24.996 53.647,24.646 54.953,24.646 64.023,24.646 64.166,24.503 64.166,24.336 J11_Slot2.G5@63.58,23.75
2_DIFF_7_N: J2.C4 J11_Slot2.F6 | length 105.4
  L4 w0.102: J2.C4@-3.08,34.75 -3.665,35.335 -3.665,35.426 -3.447,35.645 10.5,35.645 13.951,32.194 14.069,32.076 ccw(c14.536,32.544) 15.003,32.076 15.048,32.121 cw(c15.353,31.815) 15.659,32.121 cw(c15.353,31.815) 15.659,31.51 15.614,31.466 ccw(c16.082,30.998) 15.615,30.53 ; 15.615,30.53 16.28,29.865 18.374,27.771 40.3,27.771 40.937,27.771 41.479,28.313 41.911,28.313 42.127,28.097 42.127,25.429 42.478,25.079 43.099,25.079 43.449,25.429 43.449,28.097 43.665,28.313 44.097,28.313 44.313,28.097 44.313,25.429 44.663,25.079 45.285,25.079 45.635,25.429 45.635,28.097 45.851,28.313 46.283,28.313 46.499,28.097 46.499,25.429 46.849,25.079 47.471,25.079 47.821,25.429 47.821,28.265 48.037,28.481 48.469,28.481 48.685,28.265 48.685,24.369 49.035,24.019 49.657,24.019 50.007,24.369 50.007,27.347 50.223,27.563 50.655,27.563 50.871,27.347 50.871,24.369 51.221,24.019 51.843,24.019 52.193,24.369 52.193,26.502 52.409,26.718 52.841,26.718 53.057,26.502 53.057,24.369 53.407,24.019 54.029,24.019 54.379,24.369 54.379,24.558 54.595,24.774 55,24.774 61.301,24.774 61.494,24.968 61.494,25.165 J11_Slot2.F6@62.08,25.75
2_DIFF_7_P: J2.B4 J11_Slot2.E6 | length 105.4
  L4 w0.102: J2.B4@-4.48,34.75 -3.895,35.335 -3.895,35.52 -3.541,35.873 10.595,35.873 14.113,32.355 14.23,32.238 ccw(c14.536,32.544) 14.841,32.238 14.887,32.284 cw(c15.353,31.815) 15.821,32.283 cw(c15.353,31.815) 15.821,31.348 ; 15.821,31.348 15.776,31.304 ccw(c16.082,30.998) 15.776,30.693 16.442,30.027 18.469,28 40.3,28 40.843,28 41.385,28.542 42.006,28.542 42.356,28.192 42.356,25.524 42.572,25.308 43.004,25.308 43.22,25.524 43.22,28.192 43.571,28.542 44.192,28.542 44.542,28.192 44.542,25.524 44.758,25.308 45.19,25.308 45.406,25.524 45.406,28.192 45.756,28.542 46.378,28.542 46.728,28.192 46.728,25.524 46.944,25.308 47.376,25.308 47.592,25.524 47.592,28.36 47.942,28.71 48.564,28.71 48.914,28.36 48.914,24.464 49.13,24.248 49.562,24.248 49.778,24.464 49.778,27.442 50.128,27.792 50.75,27.792 51.1,27.442 51.1,24.464 51.316,24.248 51.748,24.248 51.964,24.464 51.964,26.597 52.314,26.947 52.936,26.947 53.286,26.597 53.286,24.464 53.502,24.248 53.934,24.248 54.15,24.464 54.15,24.653 54.5,25.003 55,25.003 61.206,25.003 61.266,25.063 61.266,25.165 J11_Slot2.E6@60.68,25.75
2_DIFF_8_N: J2.F4 J11_Slot2.C6 | length 105.4
  L10 w0.102: J2.F4@1.12,34.75 0.534,34.165 0.534,34.077 0.694,33.918 10.411,33.918 12.949,31.38 16.277,28.051 41.296,28.051 41.906,27.441 56.007,27.441 57.23,28.664 57.564,28.998 57.564,29.276 57.914,29.626 58.536,29.626 58.886,29.276 58.886,27.826 59.102,27.61 59.534,27.61 59.75,27.826 59.75,29.276 60.1,29.626 60.722,29.626 61.072,29.276 61.072,27.826 61.288,27.61 61.72,27.61 61.936,27.826 61.936,29.276 62.286,29.626 62.908,29.626 63.258,29.276 63.258,27.826 63.474,27.61 63.906,27.61 64.122,27.826 64.122,29.276 64.472,29.626 65.094,29.626 65.444,29.276 65.444,27.826 65.66,27.61 66.092,27.61 66.308,27.826 66.308,29.276 66.658,29.626 67.28,29.626 67.63,29.276 67.63,27.826 67.846,27.61 68.278,27.61 68.494,27.826 68.494,28.514 68.844,28.864 69.423,28.864 69.46,28.864 69.802,28.522 69.802,27.188 69.364,26.75 57.394,26.75 57.294,26.65 57.294,26.336 J11_Slot2.C6@57.88,25.75
2_DIFF_8_P: J2.E4 J11_Slot2.B6 | length 105.4
  L10 w0.102: J2.E4@-0.28,34.75 0.306,34.165 0.306,33.982 0.599,33.689 10.316,33.689 12.625,31.38 12.787,31.218 16.182,27.822 41.201,27.822 41.812,27.212 56.102,27.212 57.23,28.34 57.793,28.903 57.793,29.181 58.009,29.397 58.441,29.397 58.657,29.181 58.657,27.731 59.007,27.381 59.629,27.381 59.979,27.731 59.979,29.181 60.195,29.397 60.627,29.397 60.843,29.181 60.843,27.731 61.193,27.381 61.815,27.381 62.165,27.731 62.165,29.181 62.381,29.397 62.813,29.397 63.029,29.181 63.029,27.731 63.379,27.381 64.001,27.381 64.351,27.731 64.351,29.181 64.567,29.397 64.999,29.397 65.215,29.181 65.215,27.731 65.565,27.381 66.187,27.381 66.537,27.731 66.537,29.181 66.753,29.397 67.185,29.397 67.401,29.181 67.401,27.731 67.751,27.381 68.373,27.381 68.723,27.731 68.723,28.419 68.939,28.635 69.365,28.635 69.423,28.577 69.573,28.427 69.573,27.283 69.269,26.979 57.3,26.979 57.065,26.745 57.065,26.335 J11_Slot2.B6@56.48,25.75
2_DIFF_9_N: J2.I4 J11_Slot2.L6 | length 105.4
  L4 w0.102: J2.I4@5.32,34.75 4.734,34.165 4.734,34.068 4.885,33.918 10.982,33.918 17.813,27.087 40.427,27.087 41.17,26.343 41.17,25.42 41.74,24.85 47.266,24.85 49.196,22.919 50.562,22.919 51.93,22.919 cw(c51.93,22.513) 52.337,22.513 52.337,21.086 ccw(c52.515,21.086) 52.515,20.908 ccw(c52.515,21.086) 52.693,21.086 52.693,22.513 cw(c53.1,22.513) 53.1,22.919 53.266,22.919 73.286,22.919 74.545,24.179 77.011,24.179 78.226,22.964 81.579,22.964 81.777,23.163 81.777,24.969 81.125,25.621 75.945,25.621 74.417,27.149 73.268,27.149 73.217,27.149 72.201,27.149 ccw(c72.201,26.971) 72.023,26.971 72.023,26.827 cw(c71.845,26.827) 71.845,26.649 cw(c71.845,26.827) 71.667,26.827 71.667,26.971 ccw(c71.489,26.971) 71.489,27.149 ccw(c71.489,26.971) 71.311,26.971 71.311,26.8 cw(c71.133,26.8) 71.133,26.622 cw(c71.133,26.8) 70.955,26.8 70.955,26.971 ccw(c70.777,26.971) 70.777,27.149 70.37,27.149 70.024,27.149 69.895,27.02 69.895,26.335 J11_Slot2.L6@70.48,25.75
2_DIFF_9_P: J2.H4 J11_Slot2.K6 | length 105.4
  L4 w0.102: J2.H4@3.92,34.75 4.506,34.165 4.506,33.973 4.79,33.689 10.887,33.689 17.718,26.858 40.332,26.858 40.941,26.249 40.941,25.325 41.645,24.621 47.171,24.621 49.101,22.691 50.562,22.691 51.93,22.691 cw(c51.93,22.513) 52.108,22.513 52.108,21.086 ccw(c52.515,21.086) 52.515,20.679 ccw(c52.515,21.086) 52.922,21.086 52.922,22.513 cw(c53.1,22.513) 53.1,22.691 53.266,22.691 73.38,22.691 74.64,23.95 76.916,23.95 77.916,22.95 78.131,22.735 81.674,22.735 82.006,23.068 82.006,25.063 81.22,25.85 76.04,25.85 74.512,27.378 70.119,27.378 69.929,27.378 69.862,27.311 69.665,27.115 69.665,26.335 J11_Slot2.K6@69.08,25.75
2_DIFF_10_N: J2.L4 J11_Slot2.I6 | length 105.3
  L10 w0.102: J2.L4@9.52,34.75 8.934,35.336 8.934,35.478 9.126,35.67 10.225,35.67 16.588,29.307 20.548,29.307 20.761,29.307 21.111,29.657 21.111,30.072 21.327,30.288 21.759,30.288 21.975,30.072 21.975,28.948 22.325,28.598 22.947,28.598 23.297,28.948 23.297,30.072 23.513,30.288 23.945,30.288 24.161,30.072 24.161,28.948 24.511,28.598 25.133,28.598 25.483,28.948 25.483,30.072 25.699,30.288 26.131,30.288 26.347,30.072 26.347,28.948 26.697,28.598 27.319,28.598 27.669,28.948 27.669,30.072 27.885,30.288 28.317,30.288 28.533,30.072 28.533,28.948 28.883,28.598 29.505,28.598 29.855,28.948 29.855,30.072 30.071,30.288 30.503,30.288 30.719,30.072 30.719,28.948 31.069,28.598 31.691,28.598 32.041,28.948 32.041,30.072 32.257,30.288 32.689,30.288 32.905,30.072 32.905,28.948 33.255,28.598 33.877,28.598 34.227,28.948 34.227,30.072 34.443,30.288 34.875,30.288 35.091,30.072 35.091,28.948 35.441,28.598 36.063,28.598 36.413,28.948 36.413,30.072 36.629,30.288 37.061,30.288 37.277,30.072 37.277,28.948 37.627,28.598 38.249,28.598 38.599,28.948 38.599,30.072 38.815,30.288 39.247,30.288 39.463,30.072 39.463,29.657 39.813,29.307 41.081,29.307 41.818,29.307 42.921,28.204 43.083,28.204 43.248,28.204 ccw(c43.248,28.738) 43.782,28.738 43.782,29.228 cw(c44.087,29.228) 44.087,29.533 cw(c44.087,29.228) 44.392,29.228 44.392,28.738 ccw(c44.926,28.738) 44.926,28.204 46.252,28.204 51.489,28.204 52.24,28.955 52.24,29.25 53.34,30.35 68.95,30.35 71.876,27.424 71.906,27.395 71.906,27.017 cw(c71.728,27.017) 71.728,26.839 71.446,26.839 ccw(c71.446,26.661) 71.268,26.661 ccw(c71.446,26.661) 71.446,26.483 71.728,26.483 cw(c71.728,26.305) 71.906,26.305 cw(c71.728,26.305) 71.728,26.127 71.579,26.127 ccw(c71.579,25.949) 71.401,25.949 ccw(c71.579,25.949) 71.579,25.771 71.622,25.771 cw(c71.622,25.593) 71.748,25.468 71.533,25.252 71.091,24.81 65.754,24.81 65.695,24.87 65.695,25.165 J11_Slot2.I6@66.28,25.75
2_DIFF_10_P: J2.K4 J11_Slot2.H6 | length 105.3
  L10 w0.102: J2.K4@8.12,34.75 8.705,35.335 8.705,35.573 9.032,35.899 10.32,35.899 16.683,29.536 20.548,29.536 20.666,29.536 20.882,29.752 20.882,30.167 21.232,30.517 21.854,30.517 22.204,30.167 22.204,29.043 22.42,28.827 22.852,28.827 23.068,29.043 23.068,30.167 23.418,30.517 24.04,30.517 24.39,30.167 24.39,29.043 24.606,28.827 25.038,28.827 25.254,29.043 25.254,30.167 25.604,30.517 26.226,30.517 26.576,30.167 26.576,29.043 26.792,28.827 27.224,28.827 27.44,29.043 27.44,30.167 27.79,30.517 28.412,30.517 28.762,30.167 28.762,29.043 28.978,28.827 29.41,28.827 29.626,29.043 29.626,30.167 29.976,30.517 30.598,30.517 30.948,30.167 30.948,29.043 31.164,28.827 31.596,28.827 31.812,29.043 31.812,30.167 32.162,30.517 32.784,30.517 33.134,30.167 33.134,29.043 33.35,28.827 33.782,28.827 33.998,29.043 33.998,30.167 34.348,30.517 34.97,30.517 35.32,30.167 35.32,29.043 35.536,28.827 35.968,28.827 36.184,29.043 36.184,30.167 36.534,30.517 37.156,30.517 37.506,30.167 37.506,29.043 37.722,28.827 38.154,28.827 38.37,29.043 38.37,30.167 38.72,30.517 39.342,30.517 39.692,30.167 39.692,29.752 39.908,29.536 41.081,29.536 41.913,29.536 42.384,29.065 43.016,28.433 43.083,28.433 43.248,28.433 ccw(c43.248,28.738) 43.553,28.738 43.553,29.228 cw(c44.087,29.228) 44.087,29.762 cw(c44.087,29.228) 44.621,29.228 44.621,28.738 ccw(c44.926,28.738) 44.926,28.433 46.252,28.433 51.394,28.433 52.011,29.05 52.011,29.345 53.245,30.579 69.045,30.579 72.135,27.49 72.135,25.53 71.185,24.581 65.659,24.581 65.466,24.775 65.466,25.165 J11_Slot2.H6@64.88,25.75
2_DIFF_11_N: J6.C2 J16_Slot2.E1 | length 105.6
  L10 w0.102: J6.C2@-3.08,94.75 -3.665,94.165 -3.665,94.055 -3.447,93.836 18.43,93.836 20.436,95.843 40.399,95.843 41.078,95.843 41.428,95.493 41.428,92.447 41.644,92.231 42.076,92.231 42.292,92.447 42.292,96.419 42.642,96.769 43.264,96.769 43.614,96.419 43.614,92.447 43.83,92.231 44.262,92.231 44.478,92.447 44.478,96.419 44.828,96.769 45.45,96.769 45.8,96.419 45.8,92.447 46.016,92.231 46.448,92.231 46.664,92.447 46.664,96.419 47.014,96.769 47.636,96.769 47.986,96.419 47.986,92.447 48.202,92.231 48.634,92.231 48.85,92.447 48.85,95.493 49.2,95.843 49.413,95.843 49.495,95.843 49.661,95.843 ccw(c49.661,96.275) 50.093,96.275 50.093,96.731 cw(c50.754,96.731) 50.754,97.392 cw(c50.754,96.731) 51.415,96.731 51.415,93.189 ccw(c51.847,93.189) 51.847,92.757 ccw(c51.847,93.189) 52.279,93.189 52.279,93.939 cw(c52.94,93.939) 53.371,94.44 53.374,94.44 53.407,94.407 53.966,93.848 54.227,93.848 54.557,93.848 59.884,93.848 60.194,93.538 60.194,93.336 J16_Slot2.E1@60.78,92.75
2_DIFF_11_P: J6.B2 J16_Slot2.D1 | length 105.6
  L10 w0.102: J6.B2@-4.48,94.75 -3.895,94.165 -3.895,93.96 -3.541,93.607 18.524,93.607 20.531,95.614 40.399,95.614 40.983,95.614 41.199,95.398 41.199,92.352 41.549,92.002 42.171,92.002 42.521,92.352 42.521,96.324 42.737,96.54 43.169,96.54 43.385,96.324 43.385,92.352 43.735,92.002 44.357,92.002 44.707,92.352 44.707,96.324 44.923,96.54 45.355,96.54 45.571,96.324 45.571,92.352 45.921,92.002 46.543,92.002 46.893,92.352 46.893,96.324 47.109,96.54 47.541,96.54 47.757,96.324 47.757,92.352 48.107,92.002 48.729,92.002 49.079,92.352 49.079,95.398 49.295,95.614 49.413,95.614 49.495,95.614 49.661,95.614 ccw(c49.661,96.275) 50.322,96.275 50.322,96.731 cw(c50.754,96.731) 50.754,97.163 cw(c50.754,96.731) 51.186,96.731 51.186,93.189 ccw(c51.847,93.189) 51.847,92.529 ccw(c51.847,93.189) 52.508,93.189 52.508,93.939 cw(c52.94,93.939) 53.246,94.244 53.871,93.619 54.227,93.619 59.79,93.619 59.966,93.443 59.966,93.336 J16_Slot2.D1@59.38,92.75
2_DIFF_12_N: J6.F2 J16_Slot2.B1 | length 105.4
  L4 w0.102: J6.F2@1.12,94.75 0.534,94.165 0.534,94.042 0.652,93.925 18.718,93.925 20.674,95.88 40.143,95.88 41.043,95.88 41.394,95.53 41.394,91.96 41.61,91.744 42.042,91.744 42.258,91.96 42.258,96.633 42.608,96.983 43.229,96.983 43.58,96.633 43.58,91.96 43.796,91.744 44.228,91.744 44.444,91.96 44.444,96.633 44.794,96.983 45.415,96.983 45.766,96.633 45.766,91.96 45.982,91.744 46.414,91.744 46.63,91.96 46.63,96.633 46.98,96.983 47.601,96.983 47.952,96.633 47.952,91.96 48.168,91.744 48.6,91.744 48.816,91.96 48.816,95.53 49.166,95.88 49.379,95.88 49.414,95.88 50.153,95.88 cw(c50.153,95.219) 50.814,95.219 ccw(c51.246,95.219) 51.678,95.219 51.678,96.771 cw(c52.339,96.771) 53,96.771 53,92.024 ccw(c53.432,92.024) 53.864,92.024 53.864,93.162 cw(c54.525,93.162) 54.525,93.823 54.691,93.823 55.752,93.823 55.995,93.581 55.995,93.336 J16_Slot2.B1@56.58,92.75
2_DIFF_12_P: J6.E2 J16_Slot2.A1 | length 105.4
  L4 w0.102: J6.E2@-0.28,94.75 0.306,94.165 0.306,93.947 0.557,93.695 18.813,93.695 20.768,95.651 40.143,95.651 40.949,95.651 41.165,95.435 41.165,91.865 41.515,91.515 42.136,91.515 42.487,91.865 42.487,96.538 42.703,96.754 43.135,96.754 43.351,96.538 43.351,91.865 43.701,91.515 44.322,91.515 44.673,91.865 44.673,96.538 44.889,96.754 45.321,96.754 45.537,96.538 45.537,91.865 45.887,91.515 46.508,91.515 46.859,91.865 46.859,96.538 47.075,96.754 47.507,96.754 47.723,96.538 47.723,91.865 48.073,91.515 48.694,91.515 49.045,91.865 49.045,95.435 49.261,95.651 49.379,95.651 49.414,95.651 50.153,95.651 cw(c50.153,95.219) 50.585,95.219 ccw(c51.246,95.219) 51.907,95.219 51.907,96.771 cw(c52.339,96.771) 52.771,96.771 52.771,92.024 ccw(c53.432,92.024) 54.093,92.024 54.093,93.162 cw(c54.525,93.162) 54.525,93.594 54.691,93.594 55.657,93.594 55.766,93.486 55.766,93.336 J16_Slot2.A1@55.18,92.75
2_DIFF_13_N: J6.I2 J16_Slot2.K1 | length 105.6
  L12 w0.102: J6.I2@5.32,94.75 4.734,95.336 4.734,95.492 4.868,95.626 40.611,95.626 40.98,95.626 41.196,95.41 41.196,91.544 41.546,91.194 42.168,91.194 42.518,91.544 42.518,96.167 42.734,96.383 43.166,96.383 43.382,96.167 43.382,91.544 43.732,91.194 44.354,91.194 44.704,91.544 44.704,96.167 44.92,96.383 45.352,96.383 45.568,96.167 45.568,91.544 45.918,91.194 46.54,91.194 46.89,91.544 46.89,96.167 47.106,96.383 47.538,96.383 47.754,96.167 47.754,91.544 48.104,91.194 48.726,91.194 49.076,91.544 49.076,95.289 49.292,95.505 49.598,95.505 49.811,95.292 50.852,94.251 53.893,91.21 54.049,91.054 68.063,91.054 68.594,91.585 68.595,92.165 J16_Slot2.K1@69.18,92.75
2_DIFF_13_P: J6.H2 J16_Slot2.J1 | length 105.6
  L12 w0.102: J6.H2@3.92,94.75 4.506,95.336 4.506,95.587 4.773,95.855 40.611,95.855 41.075,95.855 41.425,95.505 41.425,91.639 41.641,91.423 42.073,91.423 42.289,91.639 42.289,96.262 42.639,96.612 43.261,96.612 43.611,96.262 43.611,91.639 43.827,91.423 44.259,91.423 44.475,91.639 44.475,96.262 44.825,96.612 45.447,96.612 45.797,96.262 45.797,91.639 46.013,91.423 46.445,91.423 46.661,91.639 46.661,96.262 47.011,96.612 47.633,96.612 47.983,96.262 47.983,91.639 48.199,91.423 48.631,91.423 48.847,91.639 48.847,95.384 49.197,95.734 49.693,95.734 49.811,95.616 51.176,94.251 54.144,91.283 54.183,91.283 67.968,91.283 68.365,91.68 68.365,92.164 J16_Slot2.J1@67.78,92.75
2_DIFF_14_N: J6.L2 J16_Slot2.H1 | length 105.6
  L8 w0.12: J6.L2@9.52,94.75 8.955,95.315 8.955,95.391 9.195,95.631 10.513,95.631 11.519,95.631 11.739,95.41 11.739,94.494 12.118,94.116 12.783,94.116 13.161,94.494 13.161,96.601 13.382,96.822 13.823,96.822 14.043,96.601 14.043,93.487 14.422,93.109 15.087,93.109 15.465,93.487 15.465,96.601 15.686,96.822 16.127,96.822 16.347,96.601 16.347,92.793 16.726,92.414 17.391,92.414 17.769,92.793 17.769,96.601 17.99,96.822 18.431,96.822 18.651,96.601 18.651,92.793 19.03,92.414 19.695,92.414 20.073,92.793 20.073,96.601 20.294,96.822 20.735,96.822 20.955,96.601 20.955,92.793 21.334,92.414 21.999,92.414 22.377,92.793 22.377,93.648 22.598,93.869 22.91,93.869 23.154,93.624 23.161,93.624 41.06,93.624 41.657,93.624 41.878,93.404 41.878,91.844 42.257,91.465 42.921,91.465 43.3,91.844 43.3,93.466 43.52,93.687 43.962,93.687 44.182,93.466 44.182,91.844 44.561,91.465 45.225,91.465 45.604,91.844 45.604,93.466 45.825,93.687 46.266,93.687 46.486,93.466 46.486,91.844 46.865,91.465 47.529,91.465 47.908,91.844 47.908,93.404 48.129,93.624 48.268,93.624 49.668,93.624 50.637,93.624 50.727,93.534 cw(c50.416,93.222) 50.728,92.91 49.879,92.061 49.879,92.057 ccw(c50.421,91.597) 49.918,91.095 ccw(c50.421,91.597) 50.924,91.095 51.733,91.904 cw(c52.045,91.592) 52.357,91.904 52.397,91.865 52.495,91.766 53.202,91.059 63.906,91.059 64.415,91.568 64.415,92.185 J16_Slot2.H1@64.98,92.75
2_DIFF_14_P: J6.K2 J16_Slot2.G1 | length 105.6
  L8 w0.12: J6.K2@8.12,94.75 8.685,95.315 8.685,95.503 9.083,95.901 10.513,95.901 11.631,95.901 12.009,95.522 12.009,94.606 12.23,94.386 12.671,94.386 12.891,94.606 12.891,96.713 13.27,97.092 13.935,97.092 14.313,96.713 14.313,93.599 14.534,93.379 14.975,93.379 15.195,93.599 15.195,96.713 15.574,97.092 16.239,97.092 16.617,96.713 16.617,92.905 16.838,92.684 17.279,92.684 17.499,92.905 17.499,96.713 17.878,97.092 18.543,97.092 18.921,96.713 18.921,92.905 19.142,92.684 19.583,92.684 19.803,92.905 19.803,96.713 20.182,97.092 20.847,97.092 21.225,96.713 21.225,92.905 21.446,92.684 21.887,92.684 22.107,92.905 22.107,93.76 22.486,94.139 23.021,94.139 23.161,94 23.266,93.894 41.06,93.894 41.769,93.894 42.148,93.516 42.148,91.956 42.368,91.735 42.81,91.735 43.03,91.956 43.03,93.578 43.409,93.957 44.073,93.957 44.452,93.578 44.452,91.956 44.672,91.735 45.114,91.735 45.334,91.956 45.334,93.578 45.713,93.957 46.377,93.957 46.756,93.578 46.756,91.956 46.977,91.735 47.418,91.735 47.638,91.956 47.638,93.516 48.017,93.894 48.268,93.894 49.938,93.894 50.749,93.894 50.958,93.685 50.958,93.681 cw(c50.416,93.222) 50.919,92.719 50.11,91.91 ccw(c50.421,91.597) 50.109,91.286 ccw(c50.421,91.597) 50.733,91.286 51.542,92.095 cw(c52.045,91.592) 52.548,92.095 52.588,92.056 52.686,91.957 53.314,91.329 63.794,91.329 64.145,91.68 64.145,92.185 J16_Slot2.G1@63.58,92.75
2_DIFF_15_N: J2.E5 J11_Slot2.F2 | length 103.7
  L8 w0.12: J2.E5@-0.18,36.75 -0.745,37.315 -0.745,37.539 -0.675,37.609 11.266,37.609 12.364,36.51 12.364,19.873 22.654,9.584 39.87,9.584 40.52,10.233 50.714,10.233 51.005,9.942 v1(51.099,9.942)
  L6 w0.102: v1(51.099,9.942) 51.139,9.942 51.45,10.253 52.421,10.253 53.411,11.244 53.411,11.95 53.411,12.163 53.061,12.513 50.987,12.513 50.771,12.729 50.771,13.161 50.987,13.377 56.839,13.377 57.189,13.727 57.189,14.349 56.839,14.699 53.627,14.699 53.411,14.915 53.411,15.177 53.411,15.861 54.161,16.61 61.158,16.61 61.494,16.947 61.494,17.426 61.819,17.75 J11_Slot2.F2@62.08,17.75
2_DIFF_15_P: J2.D5 J11_Slot2.E2 | length 103.8
  L8 w0.12: J2.D5@-1.58,36.75 -1.015,37.315 -1.015,37.651 -0.787,37.879 11.377,37.879 12.634,36.622 12.634,19.985 22.765,9.853 39.759,9.853 40.408,10.503 50.714,10.503 51.005,10.794 v1(51.099,10.794)
  L6 w0.102: v1(51.099,10.794) 51.139,10.794 51.45,10.482 52.326,10.482 53.182,11.339 53.182,11.95 53.182,12.068 52.966,12.284 50.892,12.284 50.542,12.634 50.542,13.256 50.892,13.606 56.744,13.606 56.96,13.822 56.96,14.254 56.744,14.47 53.532,14.47 53.182,14.82 53.182,15.177 53.182,15.955 54.066,16.839 61.063,16.839 61.266,17.042 61.266,17.426 60.941,17.75 J11_Slot2.E2@60.68,17.75
2_MGT_Rx_N: J2.E3 J11_Slot2.B5 | length 100.8
  Bottom Layer w0.15: J2.E3@-0.18,32.75 -0.197,32.75 -0.754,32.192 -0.754,32.001 -0.615,31.862 11.704,31.862 13.18,30.386 13.888,30.386 15.506,30.386 cw(c15.506,29.552) 16.341,29.552 16.341,28.074 ccw(c16.924,28.074) 17.507,28.074 17.507,30.212 cw(c18.341,30.212) 19.175,30.212 19.175,28.074 ccw(c19.758,28.074) 20.341,28.074 20.341,30.212 cw(c21.176,30.212) 22.01,30.212 22.01,28.074 ccw(c22.593,28.074) 23.176,28.074 23.176,30.212 cw(c24.01,30.212) 24.845,30.212 24.845,28.074 ccw(c25.428,28.074) 26.011,28.074 26.011,30.212 cw(c26.845,30.212) 27.679,30.212 27.679,28.074 ccw(c28.262,28.074) 28.845,28.074 28.845,30.212 cw(c29.68,30.212) 30.514,30.212 30.514,28.074 ccw(c31.097,28.074) 31.68,28.074 31.68,30.212 cw(c32.514,30.212) 33.349,30.212 33.349,28.631 ccw(c33.932,28.631) 34.514,28.631 34.514,29.552 cw(c35.349,29.552) 35.349,30.386 37.52,30.386 37.97,30.386 43.417,24.94 55.761,24.94 56.006,24.695 56.006,24.318 56.574,23.75 J11_Slot2.B5@56.58,23.75
2_MGT_Rx_P: J2.D3 J11_Slot2.A5 | length 100.8
  Bottom Layer w0.15: J2.D3@-1.58,32.75 -1.563,32.75 -1.006,32.192 -1.006,31.897 -0.793,31.684 -0.719,31.611 11.6,31.611 13.076,30.135 13.888,30.135 15.506,30.135 cw(c15.506,29.552) 16.089,29.552 16.089,28.074 ccw(c16.924,28.074) 17.758,28.074 17.758,30.212 cw(c18.341,30.212) 18.924,30.212 18.924,28.074 ccw(c19.758,28.074) 20.593,28.074 20.593,30.212 cw(c21.176,30.212) 21.759,30.212 21.759,28.074 ccw(c22.593,28.074) 23.427,28.074 23.427,30.212 cw(c24.01,30.212) 24.593,30.212 24.593,28.074 ccw(c25.428,28.074) 26.262,28.074 26.262,30.212 cw(c26.845,30.212) 27.428,30.212 27.428,28.074 ccw(c28.262,28.074) 29.097,28.074 29.097,30.212 cw(c29.68,30.212) 30.263,30.212 30.263,28.074 ccw(c31.097,28.074) 31.931,28.074 31.931,30.212 cw(c32.514,30.212) 33.097,30.212 33.097,28.631 ccw(c33.932,28.631) 34.766,28.631 34.766,29.552 cw(c35.349,29.552) 35.349,30.135 37.52,30.135 37.866,30.135 43.313,24.688 55.657,24.688 55.754,24.591 55.754,24.318 55.186,23.75 J11_Slot2.A5@55.18,23.75
2_MGT_Tx_N: J2.B3 J11_Slot2.E5 | length 100.8
  Bottom Layer w0.15: J2.B3@-4.38,32.75 -4.445,32.75 -4.954,33.259 -4.954,33.563 -4.866,33.65 12.56,33.65 13.129,33.081 40.33,33.081 44.318,29.094 45.359,28.052 72.156,28.052 72.689,27.519 72.689,27.201 72.689,26.722 cw(c72.487,26.722) 72.487,26.52 72.383,26.52 ccw(c72.383,26.318) 72.383,26.116 72.487,26.116 cw(c72.487,25.914) 72.487,25.712 72.45,25.712 ccw(c72.45,25.51) 72.45,25.308 72.487,25.308 cw(c72.487,25.106) 72.487,24.904 ccw(c72.487,24.703) 72.487,24.501 cw(c72.487,24.299) 72.689,24.299 72.689,23.8 72.689,23.556 71.927,22.794 60.396,22.794 60.206,22.985 60.206,23.176 J11_Slot2.E5@60.78,23.75
2_MGT_Tx_P: J2.A3 J11_Slot2.D5 | length 100.8
  Bottom Layer w0.15: J2.A3@-5.78,32.75 -5.715,32.75 -5.206,33.259 -5.206,33.667 -4.971,33.902 12.664,33.902 13.233,33.333 40.434,33.333 44.332,29.435 45.463,28.304 72.26,28.304 72.941,27.623 72.941,23.452 72.032,22.543 60.292,22.543 59.954,22.881 59.954,23.176 J11_Slot2.D5@59.38,23.75
2_SERVMOD: J5.F5 J11_Slot2.K2 | length 543.2
  L8 w0.102: v1(232.557,23.861) 232.557,25.528 241.604,34.576 v1(241.755,34.576)
  L12 w0.102: J11_Slot2.K2@69.08,17.75 69.08,17.74 70.073,16.746 71.115,16.746 71.445,16.416 71.445,4.811 73.629,2.627 84.145,2.627 88.082,6.564 100.246,6.564 103.169,3.64 116.095,3.64 118.689,6.234 126.537,6.234 129.077,3.694 144.978,3.694 147.848,6.564 156.154,6.564 159.151,3.567 176.296,3.567 179.395,6.665 192.549,6.665 195.93,3.284 202.255,3.284 206.954,7.983 221.917,7.983 225.242,4.659 233.167,4.659 235.376,6.869 235.376,14.133 234.716,14.793 234.716,20.76 232.557,22.919 v1(232.557,23.861)
  Bottom Layer w0.102: J5.F5@1.22,87.75 2.403,88.933 10.83,88.933 16.42,94.523 16.42,104.75 21.52,109.85 31.93,109.85 195.92,109.85 200.852,104.918 200.852,93.218 204.92,89.15 221.356,89.15 221.553,88.953 225.752,84.754 225.752,78.818 227.184,77.386 227.184,43.941 235.072,36.053 237.517,36.053 238.994,34.576 v1(241.755,34.576)